# Allegro board 6089-119-RevB_08.brd (continued)
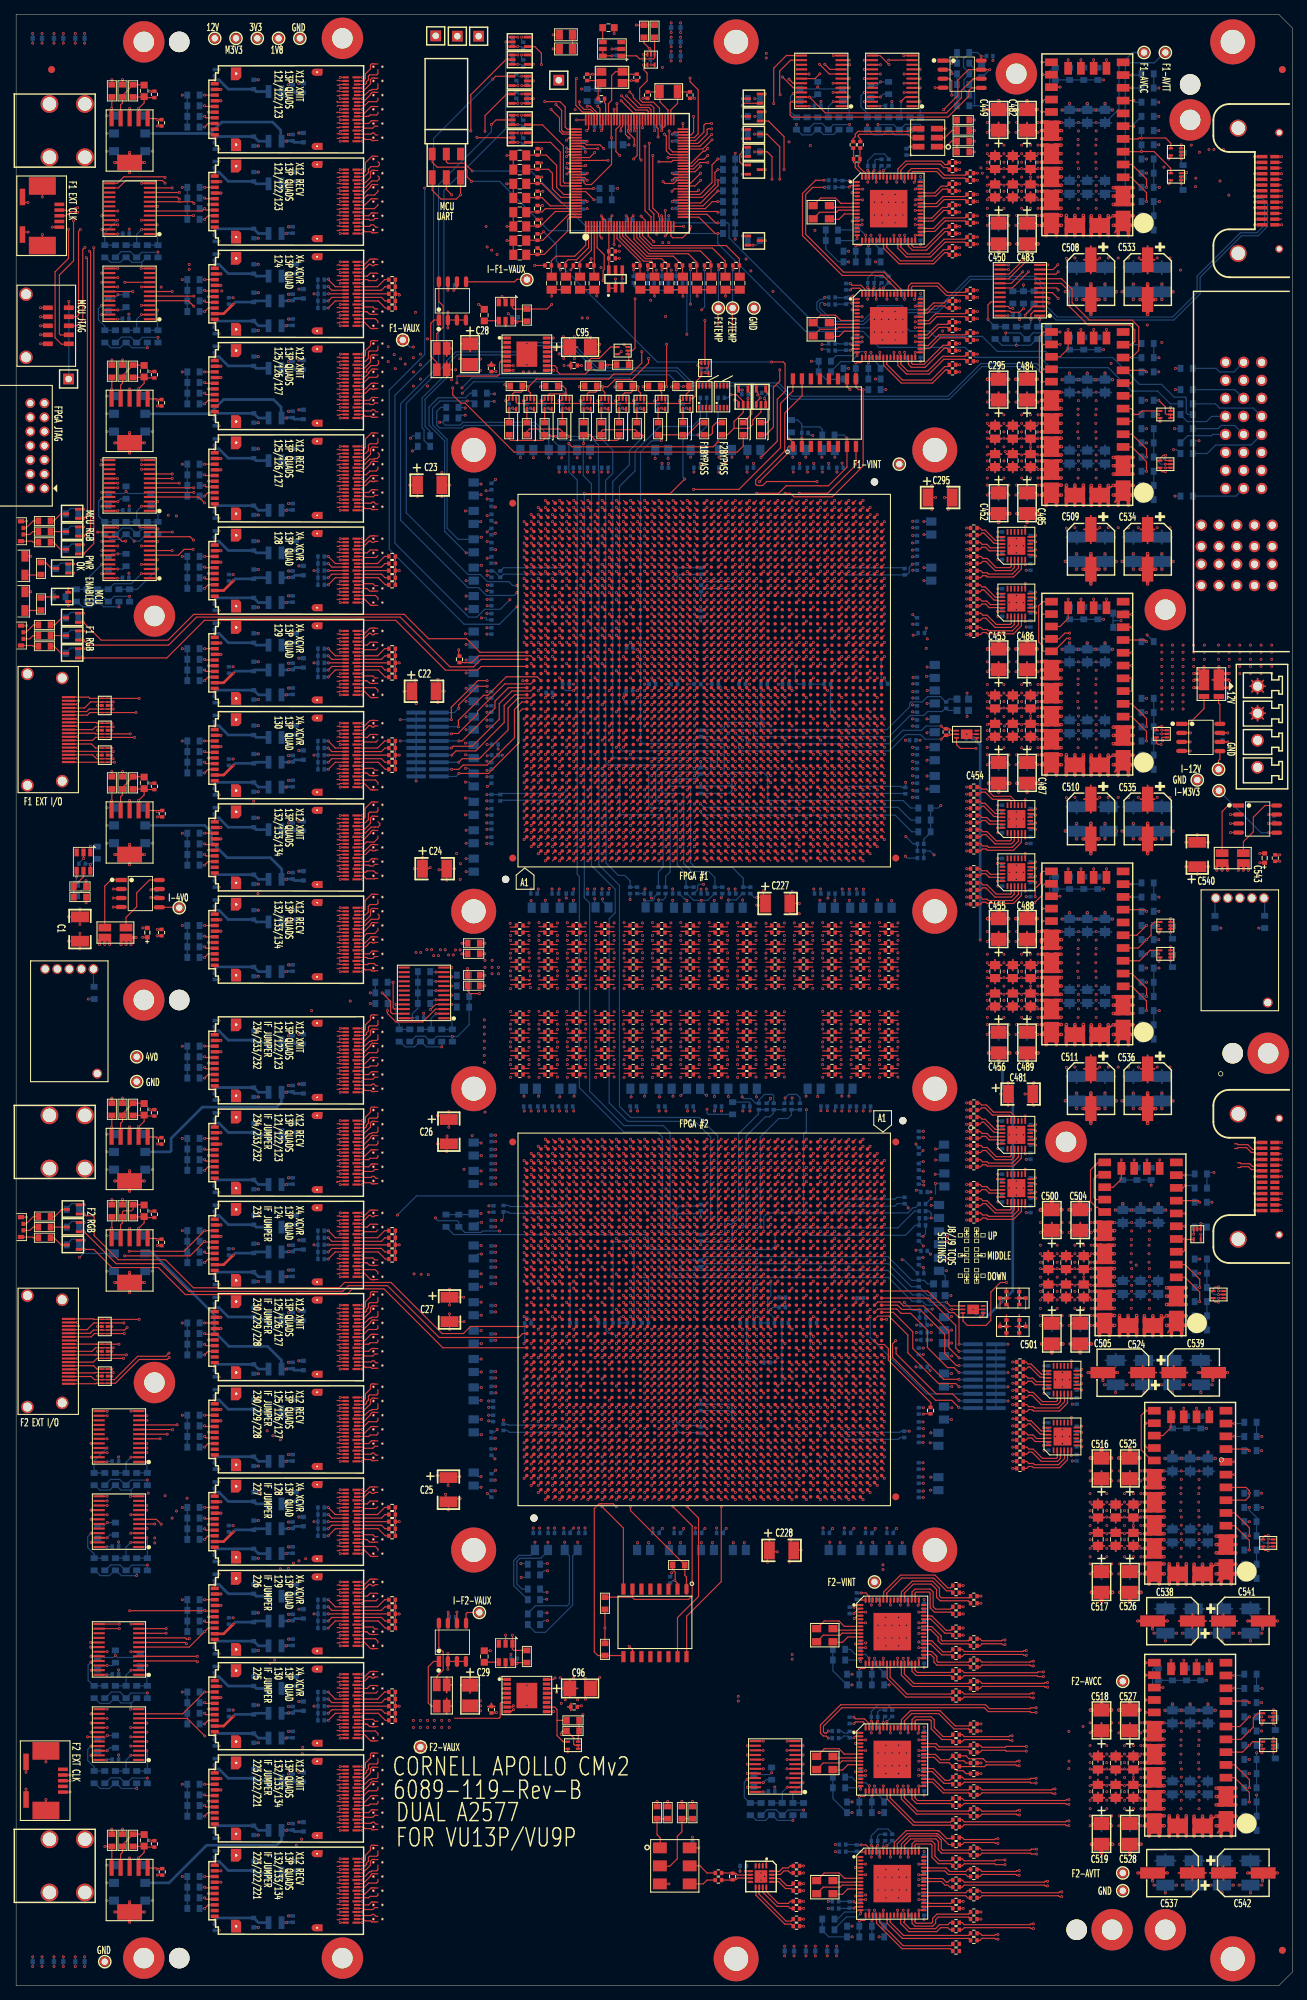
[diagram p0: board, top side]
## Routing (per net, layer and track width the routed paths; a pad name or vN(x,y) marks a point on that pad's centre or on a via; arc(x,y) is an arc through that point) (continued)
AC_NSYN_R1B_IN0: length 40.1
  TOP w0.165: v1(118.11,36.95) 118.35,37.19 119.41,37.19 119.75,36.85 U90.64 ; C438.2 v1(136.01,9.4)
  SIG1 w0.083: v1(118.11,36.95) 118.11,37.31 118.16,37.36 118.23,37.29 118.71,37.29 119,37 119,32.15 134.8,16.35 134.8,10.05 135.06,9.8 135.92,9.8 136.01,9.71 v1(136.01,9.4)
  BOTTOM w0.165: R351.2 v1(118.11,36.95)
AC_NSYN_R1C_IN0: length 59.5
  TOP w0.165: C344.2 v1(133.51,10.9) ; v1(119.11,54.45) 119.21,54.35 U89.64
  SIG1 w0.083: v1(119.11,54.45) 119.41,54.75 120.04,54.75 120.25,54.96 120.25,55.45 119.45,56.25 118.5,56.25 116.7,54.45 116.7,30.85 120.25,27.3 120.65,27.3 132.4,15.55 132.4,11.65 132.76,11.3 133.42,11.3 133.51,11.21 v1(133.51,10.9)
  BOTTOM w0.165: R337.2 v1(119.11,54.45)
AC_NUTIL: length 4.2
  TOP w0.165: C191.2 100.95,15.9 R135.1 101.46,15.85 101.7,15.61 102.77,15.61 102.81,15.65 U82.6
AC_PF1_TCDS40_CLK: length 183
  TOP w0.165: v1(141.45,24.73) 141.11,24.73 140.99,24.61 136.15,24.61 135.86,24.9 C429.2 ; U75.AR17 v1(106.39,174.51)
  SIG2 w0.083: v1(106.39,174.51) 106.39,174.2 106.31,174.11 106.11,174.11 105.75,173.76 105.75,171.68 105.76,171.66 105.76,163.29 106.1,162.95 110.13,162.95 110.15,162.93 110.63,162.93 110.65,162.95 112.13,162.95 112.15,162.93 112.63,162.93 112.65,162.95 123.55,162.95 132.59,153.91 132.59,129.76 134.55,127.8 134.55,95.95 134.29,95.69 134.29,68.81 141.79,61.31 141.79,28.86 141.87,28.78 141.87,24.59 141.79,24.5 141.68,24.5 v1(141.45,24.73)
AC_PF1_TCDS_RECOV_CLK: length 3.4
  TOP w0.165: v1(118.11,35.85) 118.31,35.65 U90.1
  BOTTOM w0.165: C841.2 116.36,35.9 116.65,35.61 117.26,35.61 R352.1 v1(118.11,35.85)
AC_PF1_XTAL_200: length 215.7
  TOP w0.165: U75.AT17 v1(107.39,174.51) ; C230.2 v1(111.01,15.9)
  SIG2 w0.083: v1(111.01,15.9) 111.01,15.98 110.75,16.24 110.29,16.24 110.21,16.16 110.21,14.34 110.52,14.03 111.16,14.03 111.39,14.26 126.64,14.26 127.1,13.8 132.76,13.8 142.79,23.84 142.79,62.71 135.29,70.21 135.29,128.46 133.34,130.41 133.34,154.51 123.93,163.93 108.07,163.93 107.8,164.2 107.8,174.1 v1(107.39,174.51)
AC_PF1L_R0_AB: length 222.8
  TOP w0.165: U75.BD39 v1(115.39,197.29) ; v1(138.4,7.23) 138.06,7.23 137.94,7.11 136.15,7.11 135.86,7.4 C439.2
  SIG1 w0.083: v1(115.39,197.29) 115.39,197.6 115.47,197.69 115.59,197.69 115.74,197.54 115.74,197.06 116.14,196.66 125.09,196.66 134.44,187.31 134.44,160.26 140.74,153.96 140.74,152.57 142.1,151.21 142.1,135.05 142.85,134.3 142.85,97.3 143.84,96.31 143.84,73.41 150.79,66.46 150.79,14.54 143.26,7 138.63,7 v1(138.4,7.23)
AC_PF1L_R0_AD: length 27.7
  TOP w0.165: U75.AY39 v1(111.39,197.29) ; C372.2 v1(133.99,198.4)
  SIG3 w0.083: v1(111.39,197.29) 111.39,197.6 111.47,197.69 111.68,197.69 111.96,197.97 111.96,200.51 112.14,200.69 131.36,200.69 133.2,198.85 133.54,198.85 v1(133.99,198.4)
AC_PF1L_R0_AF: length 28.9
  TOP w0.165: U75.AT39 v1(107.39,197.29) ; C374.2 v1(133.99,196.4)
  SIG3 w0.083: v1(107.39,197.29) 107.39,197.6 107.47,197.69 107.59,197.69 107.84,197.44 107.84,197.06 108.21,196.69 133.04,196.69 133.2,196.85 133.54,196.85 v1(133.99,196.4)
AC_PF1L_R0_R: length 36.3
  TOP w0.165: C370.2 v1(133.99,200.4) ; U75.AM39 v1(103.39,197.29)
  SIG3 w0.083: v1(103.39,197.29) 103.39,197.6 103.47,197.69 103.68,197.69 103.95,197.96 103.95,201.5 104.15,201.7 132.1,201.7 132.96,200.84 133.55,200.84 v1(133.99,200.4)
AC_PF1L_R0_U: length 48.1
  TOP w0.165: U75.AA41 v1(91.61,199.29) ; C376.2 v1(133.99,194.4)
  SIG3 w0.083: v1(133.99,194.4) 133.65,194.74 133.01,194.74 132.06,195.69 92.31,195.69 92,196 92,199.49 91.81,199.69 91.69,199.69 91.61,199.6 v1(91.61,199.29)
AC_PF1L_R0_V: length 51.5
  TOP w0.165: U75.W41 v1(89.61,199.29) ; C378.2 v1(133.99,192.4)
  SIG3 w0.083: v1(133.99,192.4) 133.65,192.74 133.21,192.74 131.26,194.69 90.31,194.69 89.99,195.01 89.99,199.5 89.81,199.69 89.69,199.69 89.61,199.6 v1(89.61,199.29)
AC_PF1L_R0_Y: length 54.8
  TOP w0.165: C368.2 v1(133.99,202.4) ; U75.N41 v1(83.61,199.29)
  SIG3 w0.083: v1(133.99,202.4) 133.6,202.8 133.35,202.8 133.19,202.64 85.29,202.64 85.21,202.55 85.21,200.01 84.88,199.69 83.69,199.69 83.61,199.6 v1(83.61,199.29)
AC_PF1L_R1_AB: length 214.6
  TOP w0.165: C335.2 133.36,23.4 133.65,23.11 147.94,23.11 148.06,23.23 v1(148.4,23.23) ; U75.BC41 v1(114.39,199.29)
  SIG1 w0.083: v1(114.39,199.29) 114.39,199.6 114.47,199.69 114.59,199.69 114.79,199.49 114.79,196.06 115.16,195.69 124.56,195.69 132.4,187.85 132.4,159.55 139.24,152.71 139.24,145.85 140.41,144.68 140.41,134.29 140.39,134.28 140.39,133.82 140.41,133.81 140.41,98.19 142.65,95.95 142.65,93.32 142.35,93.02 142.35,73.5 149.79,66.06 149.79,24.05 148.74,23 148.63,23 v1(148.4,23.23)
AC_PF1L_R1_AD: length 215.5
  TOP w0.165: U75.AW41 v1(110.39,199.29) ; C333.2 133.36,26.4 133.65,26.11 147.94,26.11 148.06,26.23 v1(148.4,26.23)
  SIG1 w0.083: v1(148.4,26.23) 148.63,26 148.74,26 148.82,26.09 148.82,28.38 148.79,28.41 148.79,65.41 141.24,72.96 141.24,75.68 140.65,76.27 139.98,76.27 137.39,78.86 137.39,122.54 137.92,123.07 137.92,152.13 134.23,155.82 133.53,155.82 130.94,158.41 130.94,187.81 124.06,194.69 122.66,194.69 122.64,194.71 111.15,194.71 110.74,195.12 110.74,199.54 110.59,199.69 110.47,199.69 110.39,199.6 v1(110.39,199.29)
AC_PF1L_R1_AF: length 227.4
  TOP w0.165: U75.AR41 v1(106.39,199.29) ; v1(147.4,13.23) 147.06,13.23 146.94,13.11 136.15,13.11 135.86,13.4 C435.2
  SIG1 w0.083: v1(147.4,13.23) 147.63,13 147.74,13 147.82,13.09 147.82,21.23 147.79,21.26 147.79,64.71 136.29,76.21 136.29,151.66 134.13,153.82 133.75,153.82 129.79,157.78 129.79,187.61 123.71,193.69 107.16,193.69 106.79,194.06 106.79,199.49 106.59,199.69 106.47,199.69 106.39,199.6 v1(106.39,199.29)
AC_PF1L_R1_R: length 215.1
  TOP w0.165: U75.AL41 v1(102.39,199.29) ; C427.2 135.86,27.9 136.15,27.61 145.99,27.61 146.11,27.73 v1(146.45,27.73)
  SIG1 w0.083: v1(102.39,199.29) 102.39,199.6 102.47,199.69 102.59,199.69 102.79,199.49 102.79,193.06 103.16,192.69 123.21,192.69 128.99,186.91 128.99,159.73 128.84,159.58 128.84,156.71 135.29,150.26 135.29,75.76 146.79,64.26 146.79,28.41 146.87,28.33 146.87,27.59 146.79,27.5 146.68,27.5 v1(146.45,27.73)
AC_PF1L_R1_U: length 238.7
  TOP w0.165: v1(145.4,14.73) 145.06,14.73 144.94,14.61 133.65,14.61 133.36,14.9 C341.2 ; U75.Y39 v1(90.61,197.29)
  SIG1 w0.083: v1(145.4,14.73) 145.63,14.5 145.74,14.5 145.82,14.59 145.82,20.88 145.79,20.91 145.79,63.66 134.29,75.16 134.29,106.31 133.29,107.31 133.29,150.81 127.79,156.31 127.79,186.91 123.04,191.66 91.39,191.66 90.99,192.06 90.99,197.5 90.81,197.69 90.69,197.69 90.61,197.6 v1(90.61,197.29)
AC_PF1L_R1_Y: length 230.3
  TOP w0.165: C331.2 133.36,29.4 133.65,29.11 142.94,29.11 143.06,29.23 v1(143.79,29.23) ; U75.M39 v1(82.61,197.29)
  SIG1 w0.083: v1(82.61,197.29) 82.61,197.6 82.69,197.69 82.81,197.69 82.99,197.5 82.99,191.01 83.34,190.66 122.8,190.66 126.89,186.57 126.89,175.74 126.88,175.73 126.88,175.27 126.89,175.26 126.89,135.31 132.29,129.91 132.29,106.81 133.29,105.81 133.29,74.21 144.79,62.71 144.79,44.79 145.2,44.38 145.2,43.42 144.79,43.01 144.79,30.05 143.95,29.22 143.95,29.16 143.86,29.16 v1(143.79,29.23)
AC_PF1L_X4_R0_CLK: length 52.7
  TOP w0.165: U75.N32 v1(83.61,190.29) ; C380.2 v1(133.99,190.4)
  SIG3 w0.083: v1(83.61,190.29) 83.3,190.29 83.21,190.37 83.21,190.57 83.31,190.66 133.73,190.66 v1(133.99,190.4)
AC_PF1L_X4_R0A: length 64.2
  TOP w0.165: v1(143.73,193.45) 143.61,193.45 143.41,193.65 U97.7 ; C353.2 v1(135.51,249.4)
  SIG1 w0.083: v1(143.73,193.45) 143.71,193.71 143.79,193.8 143.86,193.8 143.91,193.81 144.55,193.81 145.3,194.55 145.3,207.1 143.55,208.85 143.55,212.21 143.56,212.22 143.56,212.68 143.55,212.69 143.55,216.61 143.56,216.62 143.56,217.08 143.55,217.09 143.55,221.11 143.56,221.12 143.56,221.58 143.55,221.59 143.55,233.45 142.01,234.99 142.01,235 141.68,235.32 141.2,235.8 141.2,243.7 137.76,247.14 137.76,248.49 137.29,248.96 135.84,248.96 135.79,249 135.59,249 135.51,249.09 v1(135.51,249.4)
  BOTTOM w0.165: R273.2 v1(143.73,193.45)
AC_PF1L_X4_R0B: length 51.2
  TOP w0.165: C309.2 v1(133.01,234.4) ; v1(143.68,195.45) 143.61,195.45 143.41,195.65 U97.11
  SIG4 w0.083: v1(133.01,234.4) 133.01,234.11 132.9,234 132.25,234 131.9,233.65 131.9,233.05 132.45,232.5 133.35,232.5 134.4,233.55 135.5,233.55 139,230.05 139,227.3 138.4,226.7 138.4,212.35 138.89,211.86 138.89,199.36 142.46,195.8 143.6,195.8 143.68,195.71 v1(143.68,195.45)
  BOTTOM w0.165: R272.2 v1(143.68,195.45)
AC_PF1L_X12_R0_CLK: length 69
  TOP w0.165: U75.P33 v1(84.61,191.29) ; C366.2 v1(133.99,204.4)
  SIG3 w0.083: v1(133.99,204.4) 133.55,204.84 133.04,204.84 131.9,203.7 82.5,203.7 82.2,203.4 82.2,192.98 82.28,192.9 84.99,192.9 85.2,192.69 85.2,191.99 84.89,191.69 84.69,191.69 84.61,191.6 v1(84.61,191.29)
AC_PF1L_X12_R0A: length 55.8
  TOP w0.165: C303.2 v1(133.01,247.9) ; U96.7 143.41,201.65 143.61,201.45 v1(143.7,201.45)
  SIG1 w0.083: v1(143.7,201.45) 143.7,201.71 143.78,201.8 144.19,201.8 144.66,202.26 144.66,205.44 140.51,209.59 140.51,221.39 139.1,222.8 139.1,244.45 135.99,247.56 133.26,247.56 133.21,247.5 133.09,247.5 133.01,247.59 v1(133.01,247.9)
  BOTTOM w0.165: R271.2 v1(143.7,201.45)
AC_PF1L_X12_R0B: length 40.6
  TOP w0.165: v1(143.7,203.45) 143.61,203.45 143.41,203.65 U96.11 ; C359.2 v1(135.51,235.9)
  SIG4 w0.083: v1(143.7,203.45) 143.7,203.71 143.62,203.8 142.96,203.8 140.6,206.15 140.6,207.14 140.53,207.21 140.53,207.67 140.6,207.74 140.6,209.61 140.39,209.82 140.39,210.28 140.6,210.49 140.6,211.11 140.49,211.22 140.49,211.68 140.6,211.79 140.6,222.7 140.4,222.9 140.4,222.91 140.39,222.92 140.39,223.38 140.4,223.39 140.4,226.11 140.38,226.13 140.38,226.59 140.4,226.61 140.4,230.5 136.7,234.2 135,234.2 134.65,234.55 134.65,235.14 134.86,235.35 135.21,235.35 135.51,235.65 v1(135.51,235.9)
  BOTTOM w0.165: R270.2 v1(143.7,203.45)
AC_PF1R_R0_B: length 57.5
  TOP w0.165: U75.AM13 v1(103.39,170.51) ; C396.2 v1(133.99,152.4)
  SIG3 w0.083: v1(103.39,170.51) 103.39,170.2 103.31,170.11 103.19,170.11 103,170.31 103,173.75 103.17,173.93 122.92,173.93 122.95,173.9 126.75,173.9 127.79,172.86 127.79,166.66 133.16,161.29 134.41,161.29 134.49,161.21 134.49,159.79 134.15,159.45 132.95,159.45 131.94,158.44 131.94,154.01 133.21,152.74 133.65,152.74 v1(133.99,152.4)
AC_PF1R_R0_E: length 60.2
  TOP w0.165: U75.AA11 v1(91.61,168.51) ; C388.2 v1(133.99,161.9)
  SIG3 w0.083: v1(91.61,168.51) 91.61,168.2 91.53,168.11 91.41,168.11 91.26,168.26 91.26,174.71 91.47,174.93 126.88,174.93 128.79,173.01 128.79,166.71 133.25,162.25 133.64,162.25 v1(133.99,161.9)
AC_PF1R_R0_F: length 62.7
  TOP w0.165: C386.2 v1(133.99,163.9) ; U75.W11 v1(89.61,168.51)
  SIG3 w0.083: v1(133.99,163.9) 133.6,164.3 133.1,164.3 129.79,167.61 129.79,173.81 127.7,175.9 123,175.9 122.99,175.89 89.49,175.89 89.21,175.61 89.21,168.31 89.41,168.11 89.53,168.11 89.61,168.2 v1(89.61,168.51)
AC_PF1R_R0_G: length 81.1
  TOP w0.165: U75.U11 v1(87.61,168.51) ; C394.2 v1(133.99,154.4)
  SIG3 w0.083: v1(133.99,154.4) 133.65,154.74 133.11,154.74 132.75,155.1 132.75,158.15 133.3,158.7 134.65,158.7 135.04,159.09 135.04,165.01 134.75,165.3 133.15,165.3 130.79,167.66 130.79,175.76 130.77,175.78 130.77,175.8 130.55,176.02 130.53,176.02 129.66,176.9 123.66,176.9 122.95,176.9 122.94,176.9 87.39,176.9 87.21,176.71 87.21,168.31 87.41,168.11 87.53,168.11 87.61,168.2 v1(87.61,168.51)
AC_PF1R_R0_I: length 72.2
  TOP w0.165: U75.N11 v1(83.61,168.51) ; C384.2 v1(133.99,165.9)
  SIG3 w0.083: v1(133.99,165.9) 133.99,165.9 133.6,166.3 133.1,166.3 131.89,167.51 131.89,176.56 130.53,177.93 86.42,177.93 86.21,177.71 86.21,174.29 85.81,173.89 83.39,173.89 83.21,173.71 83.21,168.31 83.41,168.11 83.53,168.11 83.61,168.2 v1(83.61,168.51)
AC_PF1R_R0_L: length 214.1
  TOP w0.165: C234.2 v1(111.01,10.9) ; U75.BD13 v1(115.39,170.51)
  SIG2 w0.083: v1(115.39,170.51) 115.39,170.2 115.31,170.11 115.11,170.11 114.79,169.8 114.79,167.21 115.11,166.89 126.16,166.89 137.74,155.31 137.74,74.46 146.9,65.3 146.9,19.5 137.41,10.01 119.39,10.01 119.2,9.82 111.52,9.82 110.51,10.84 110.51,11.16 110.59,11.24 110.76,11.24 111.01,10.99 v1(111.01,10.9)
AC_PF1R_R0_N: length 36.4
  TOP w0.165: C390.2 v1(133.99,159.9) ; U75.AY13 v1(111.39,170.51)
  SIG3 w0.083: v1(133.99,159.9) 133.6,160.29 133.21,160.29 126.79,166.71 126.79,172.82 126.71,172.9 123.1,172.9 123.09,172.89 111.19,172.89 111.01,172.71 111.01,170.3 111.19,170.11 111.31,170.11 111.39,170.2 v1(111.39,170.51)
AC_PF1R_R1_B: length 151.8
  TOP w0.165: U75.AL11 v1(102.39,168.51) ; C319.2 v1(133.51,50.4)
  SIG2 w0.083: v1(102.39,168.51) 102.39,168.2 102.31,168.11 102.11,168.11 101.8,167.81 101.8,162.3 102.16,161.94 123.16,161.94 131.8,153.3 131.8,129 133.29,127.51 133.29,67.56 138.74,62.11 138.74,52.34 136.41,50.01 133.71,50.01 133.71,50 133.59,50 133.51,50.09 v1(133.51,50.4)
AC_PF1R_R1_E: length 161.9
  TOP w0.165: C317.2 v1(133.51,53.4) ; U75.Y13 v1(90.61,170.51)
  SIG2 w0.083: v1(133.51,53.4) 133.51,53.09 133.59,53 133.71,53 133.81,53.11 137.41,53.11 137.49,53.19 137.49,60.96 132.29,66.16 132.29,126.96 128.34,130.91 128.34,148.56 125.79,151.11 125.79,157.9 122.75,160.94 111.64,160.94 111.63,160.93 111.15,160.93 111.14,160.94 109.64,160.94 109.59,160.89 90.44,160.89 90.03,161.3 90.03,169.82 90.32,170.11 90.53,170.11 90.61,170.2 v1(90.61,170.51)
AC_PF1R_R1_G: length 160.6
  TOP w0.165: U75.T13 v1(86.61,170.51) ; C413.2 v1(136.01,54.9)
  SIG2 w0.083: v1(86.61,170.51) 86.61,170.2 86.53,170.11 86.32,170.11 86,169.79 86,160.25 86.36,159.89 122.8,159.89 124.79,157.9 124.79,151.01 127.17,148.63 127.17,125.43 130.4,122.2 130.4,66.1 136.64,59.86 136.64,54.59 136.56,54.51 136.25,54.51 136.01,54.75 v1(136.01,54.9)
AC_PF1R_R1_I: length 162.4
  TOP w0.165: C315.2 v1(133.51,56.4) ; U75.M13 v1(82.61,170.51)
  SIG2 w0.083: v1(82.61,170.51) 82.61,170.2 82.53,170.11 82.32,170.11 82.05,169.84 82.05,161.26 82.05,161.26 82.05,159.25 82.41,158.89 122.8,158.89 123.79,157.9 123.79,151.01 125.29,149.51 125.29,134.31 126.39,133.21 126.39,124.86 127.29,123.96 127.29,67.36 134.4,60.25 134.4,56.19 134.22,56.01 133.71,56.01 133.71,56 133.59,56 133.51,56.09 v1(133.51,56.4)
AC_PF1R_R1_L: length 180.8
  TOP w0.165: v1(143.85,19.25) 143.13,19.25 143.13,19.25 142.99,19.11 136.15,19.11 135.86,19.4 C431.2 ; U75.BC11 v1(114.39,168.51)
  SIG2 w0.083: v1(143.85,19.25) 144.09,19.01 144.81,19.01 145.29,19.49 145.29,41.24 145.79,41.74 145.79,64.26 137.04,73.01 137.04,129.26 136.29,130.01 136.29,155.75 126.1,165.94 123.71,165.94 123.69,165.92 123.21,165.92 123.19,165.94 114.06,165.94 113.79,166.21 113.79,167.8 114.11,168.11 114.31,168.11 114.39,168.2 v1(114.39,168.51)
AC_PF1R_R1_N: length 162.9
  TOP w0.165: U75.AW11 v1(110.39,168.51) ; v1(143.4,41.23) 143.06,41.23 142.94,41.11 133.65,41.11 133.36,41.4 C325.2
  SIG2 w0.083: v1(110.39,168.51) 110.39,168.2 110.31,168.11 110.11,168.11 109.8,167.81 109.8,165.3 110.2,164.9 125.55,164.9 133.68,156.77 134.15,156.77 135.25,155.67 135.25,129.8 136.29,128.76 136.29,71.61 143.79,64.11 143.79,53.56 143.82,53.53 143.82,44.48 143.82,44.47 143.82,43.99 143.82,43.98 143.82,43.82 143.82,43.81 143.82,43.33 143.82,43.32 143.82,41.09 143.74,41 143.63,41 v1(143.4,41.23)
AC_PF1R_X4_R0_CLK: length 81.6
  TOP w0.165: U75.N19 v1(83.61,176.51) ; C392.2 v1(133.99,156.4)
  SIG3 w0.083: v1(83.61,176.51) 83.61,176.2 83.53,176.11 83.34,176.11 83.21,176.24 83.21,179.76 83.37,179.93 132.12,179.93 135.75,176.3 135.75,158.79 135.01,158.05 133.61,158.05 133.4,157.84 133.4,157.05 133.61,156.84 133.83,156.84 133.99,156.68 v1(133.99,156.4)
AC_PF1R_X4_R0A: length 106.5
  TOP w0.165: C301.2 v1(133.01,250.9) ; v1(143.73,155.45) 143.61,155.45 143.41,155.65 U99.7
  SIG1 w0.083: v1(133.01,250.9) 133.01,250.59 133.09,250.5 133.21,250.5 133.21,250.51 134.54,250.51 134.94,250.11 136.75,250.11 136.76,250.1 137.04,250.1 137.05,250.11 137.39,250.11 143.7,243.8 143.7,234.45 145.35,232.8 145.35,209.95 146.1,209.2 146.1,193.8 145.65,193.35 145.65,171.75 144.85,170.95 144.85,156.26 144.39,155.79 143.99,155.79 143.73,155.53 v1(143.73,155.45)
  BOTTOM w0.165: R277.2 v1(143.73,155.45)
AC_PF1R_X4_R0B: length 85.6
  TOP w0.165: C311.2 v1(133.01,231.4) ; v1(143.68,157.45) 143.61,157.45 143.41,157.65 U99.11
  SIG4 w0.083: v1(133.01,231.4) 133.01,231.06 132.9,230.95 132.3,230.95 132,230.65 132,229.95 132.21,229.74 133.89,229.74 134.45,230.3 135.8,230.3 136.16,229.94 136.16,163.34 141.71,157.8 143.6,157.8 143.68,157.71 v1(143.68,157.45)
  BOTTOM w0.165: R276.2 v1(143.68,157.45)
AC_PF1R_X12_R0_CLK: length 63.6
  TOP w0.165: C382.2 v1(133.99,167.9) ; U75.R18 v1(85.61,175.51)
  SIG3 w0.083: v1(133.99,167.9) 133.99,168.2 133.9,168.29 133.66,168.29 132.79,169.16 132.79,177.21 131.11,178.89 85.39,178.89 85.24,178.74 85.24,175.29 85.41,175.11 85.53,175.11 85.61,175.2 v1(85.61,175.51)
AC_PF1R_X12_R0A: length 90
  TOP w0.165: C355.2 v1(135.51,246.4) ; v1(143.7,162.95) 143.61,162.95 143.41,163.15 U98.7
  SIG1 w0.083: v1(135.51,246.4) 135.51,246.1 135.6,246.01 135.99,246.01 137.85,244.15 137.85,170.1 143.37,164.58 143.77,164.58 144.3,164.05 144.3,163.61 143.99,163.3 143.78,163.3 143.7,163.21 v1(143.7,162.95)
  BOTTOM w0.165: R275.2 v1(143.7,162.95)
AC_PF1R_X12_R0B: length 75.6
  TOP w0.165: C361.2 v1(135.51,232.9) ; U98.11 143.41,165.15 143.61,164.95 v1(143.7,164.95)
  SIG4 w0.083: v1(143.7,164.95) 143.7,165.21 143.62,165.3 142.66,165.3 137.44,170.51 137.44,230.01 136.35,231.1 135.2,231.1 134.7,231.6 134.7,232.15 134.98,232.43 135.5,232.43 135.51,232.44 v1(135.51,232.9)
  BOTTOM w0.165: R274.2 v1(143.7,164.95)
AC_PF2_TCDS40_CLK: length 126.2
  TOP w0.165: C329.2 133.91,32.4 134.32,31.99 136.31,31.99 136.75,31.55 140.94,31.55 141.06,31.67 v1(141.4,31.67) ; U77.AR17 v1(87.61,103.29)
  SIG4 w0.083: v1(141.4,31.67) 141.63,31.45 141.74,31.45 141.82,31.53 141.82,38.68 141.79,38.71 141.79,62.86 130.29,74.36 130.29,94.81 124.4,100.7 88.35,100.7 87.99,101.06 87.99,103.5 87.81,103.69 87.69,103.69 87.61,103.6 v1(87.61,103.29)
AC_PF2_XTAL_200: length 165.8
  TOP w0.165: C236.2 v1(111.01,8.4) ; U77.AT17 v1(86.61,103.29)
  SIG4 w0.083: v1(111.01,8.4) 111.01,8.6 111.25,8.84 113.06,8.84 115.9,6 125.65,6 141,21.35 141,62.2 129.56,73.64 129.56,94.34 123.99,99.91 86.44,99.91 86.21,100.14 86.21,103.08 86.42,103.29 v1(86.61,103.29)
AC_PF2L_R0_AB: length 155.6
  TOP w0.165: C345.2 133.36,8.9 133.65,8.61 142.94,8.61 143.06,8.73 v1(143.4,8.73) ; U77.BD39 v1(78.61,80.51)
  SIG1 w0.083: v1(78.61,80.51) 78.61,80.2 78.69,80.11 78.81,80.11 78.99,80.3 78.99,88.79 79.31,89.11 125.79,89.11 131.5,83.4 131.5,72.85 143,61.35 143,21.1 142.98,21.08 142.98,8.59 143.06,8.5 143.17,8.5 v1(143.4,8.73)
AC_PF2L_R0_AD: length 63.4
  TOP w0.165: U77.AY39 v1(82.61,80.51) ; C468.2 v1(140.49,84.9)
  SIG3 w0.083: v1(82.61,80.51) 82.61,80.2 82.53,80.11 82.41,80.11 82.21,80.31 82.21,81.66 82.44,81.89 136.04,81.89 139.45,85.3 140.41,85.3 140.49,85.21 v1(140.49,84.9)
AC_PF2L_R0_AF: length 62.4
  TOP w0.165: U77.AT39 v1(86.61,80.51) ; C480.2 v1(140.49,72.9)
  SIG3 w0.083: v1(86.61,80.51) 86.61,80.2 86.53,80.11 86.21,80.11 86,79.9 86,75.25 86.4,74.85 86.46,74.85 86.47,74.85 86.75,74.85 86.76,74.85 87.46,74.85 87.47,74.85 110.21,74.85 110.24,74.88 110.55,74.88 110.57,74.85 112.21,74.85 112.24,74.88 112.55,74.88 112.57,74.85 138.15,74.85 139.7,73.3 140.2,73.3 140.49,73.01 v1(140.49,72.9)
AC_PF2L_R0_R: length 53.7
  TOP w0.165: U77.AM39 v1(90.61,80.51) ; C470.2 v1(140.49,82.9)
  SIG3 w0.083: v1(140.49,82.9) 140.49,82.96 140.15,83.3 139.45,83.3 137.04,80.89 90.55,80.89 90.33,80.66 90.33,80.2 90.41,80.11 90.53,80.11 90.61,80.2 v1(90.61,80.51)
AC_PF2L_R0_U: length 43.2
  TOP w0.165: C478.2 v1(140.49,74.9) ; U77.AA41 v1(102.39,78.51)
  SIG3 w0.083: v1(102.39,78.51) 102.39,78.2 102.31,78.11 102.11,78.11 101.74,77.75 101.74,76.37 102.19,75.93 138.87,75.93 139.55,75.25 140.45,75.25 140.49,75.21 v1(140.49,74.9)
AC_PF2L_R0_V: length 39.9
  TOP w0.165: U77.W41 v1(104.39,78.51) ; C476.2 v1(140.49,76.9)
  SIG3 w0.083: v1(104.39,78.51) 104.39,78.2 104.31,78.11 104.11,78.11 103.9,77.91 103.9,77.2 104.2,76.9 139,76.9 139.4,77.3 140.35,77.3 140.49,77.16 v1(140.49,76.9)
AC_PF2L_R0_Y: length 34.1
  TOP w0.165: U77.N41 v1(110.39,78.51) ; C472.2 v1(140.49,80.9)
  SIG3 w0.083: v1(140.49,80.9) 140.49,81.11 140.3,81.3 139.75,81.3 137.34,78.89 110.29,78.89 110.06,78.66 110.06,78.25 110.19,78.11 110.31,78.11 110.39,78.2 v1(110.39,78.51)
AC_PF2L_R1_AD: length 120
  TOP w0.165: C423.2 135.86,33.9 136.15,33.61 139.44,33.61 139.56,33.73 v1(142.41,33.73) ; U77.AW41 v1(83.61,78.51)
  SIG1 w0.083: v1(142.41,33.73) 142.18,33.5 142.06,33.5 142,33.57 142,60.3 130.5,71.8 130.5,82.9 126.3,87.1 84.2,87.1 83.99,86.89 83.99,78.3 83.81,78.11 83.69,78.11 83.61,78.2 v1(83.61,78.51)
AC_PF2L_R1_AF: length 129.8
  TOP w0.165: U77.AR41 v1(87.61,78.51) ; C433.2 135.86,16.4 136.15,16.11 140.94,16.11 141.06,16.23 v1(141.4,16.23)
  SIG1 w0.083: v1(87.61,78.51) 87.61,78.2 87.69,78.11 87.81,78.11 87.99,78.3 87.99,85.74 88.35,86.1 125.8,86.1 129.5,82.4 129.5,70.75 141,59.25 141,20.96 140.98,20.94 140.98,16.09 141.06,16 141.17,16 v1(141.4,16.23)
AC_PF2L_R1_R: length 105.9
  TOP w0.165: U77.AL41 v1(91.61,78.51) ; C327.2 133.36,35.4 133.65,35.11 139.94,35.11 140.06,35.23 v1(140.4,35.23)
  SIG1 w0.083: v1(140.4,35.23) 140.17,35 139.3,35 138.3,36 138.3,59.9 128.5,69.7 128.5,81.9 125.3,85.1 92.4,85.1 91.99,84.69 91.99,78.3 91.81,78.11 91.69,78.11 91.61,78.2 v1(91.61,78.51)
AC_PF2L_R1_U: length 105.7
  TOP w0.165: v1(139.4,17.73) 138.06,17.73 137.94,17.61 133.65,17.61 133.36,17.9 C339.2 ; U77.Y39 v1(103.39,80.51)
  SIG1 w0.083: v1(103.39,80.51) 103.39,80.2 103.47,80.11 103.59,80.11 103.74,80.26 103.74,83.74 104.1,84.1 124.3,84.1 127.5,80.9 127.5,68.45 136.85,59.1 136.85,19.1 138.49,17.46 139.26,17.46 139.4,17.6 v1(139.4,17.73)
AC_PF2L_R1_Y: length 69.2
  TOP w0.165: U77.M39 v1(111.39,80.51) ; C421.2 v1(136.01,36.9)
  SIG1 w0.083: v1(136.01,36.9) 136.01,36.59 135.92,36.5 135,36.5 134.31,37.19 134.31,39.94 126.5,47.75 126.5,80.4 123.76,83.14 112.14,83.14 111.79,82.79 111.79,80.31 111.59,80.11 111.47,80.11 111.39,80.2 v1(111.39,80.51)
AC_PF2L_X4_R0_CLK: length 42.8
  TOP w0.165: C474.2 v1(140.49,78.9) ; U77.N32 v1(110.39,87.51)
  SIG3 w0.083: v1(140.49,78.9) 140.49,79.21 140.58,79.3 141.11,79.3 141.36,79.55 141.36,88.09 140.84,88.61 137.81,88.61 137.3,88.1 111,88.1 110.79,87.89 110.79,87.59 110.7,87.51 v1(110.39,87.51)
AC_PF2L_X4_R0A: length 200.1
  TOP w0.165: U104.7 149.91,76.15 150.11,75.95 v1(150.23,75.95) ; C349.2 v1(135.51,255.4)
  SIG1 w0.083: v1(150.23,75.95) 150.21,76.21 150.29,76.3 150.41,76.31 151.5,76.31 152.55,77.35 152.55,81.63 154.71,83.79 154.71,91.83 154.36,92.17 154.36,107.76 154.6,108 154.6,126.1 153.45,127.25 153.45,150.78 152.9,151.33 152.9,158.25 152.3,158.85 152.3,163.8 153.4,164.9 153.4,173.75 152.9,174.25 152.9,197.95 154.15,199.2 154.15,201.95 153.51,202.59 153.51,211.44 152.9,212.05 152.9,236.25 150.1,239.05 150.1,246.55 148.9,247.75 148.9,251.6 148,252.5 146.75,252.5 144.85,254.4 136.4,254.4 135.79,255 135.59,255 135.51,255.09 v1(135.51,255.4)
  BOTTOM w0.165: R260.2 v1(150.23,75.95)
AC_PF2L_X4_R0B: length 172.2
  TOP w0.165: U104.11 149.91,78.15 150.11,77.95 v1(150.18,77.95) ; C357.2 v1(135.51,238.9)
  SIG4 w0.083: v1(135.51,238.9) 135.51,238.59 135.59,238.5 136.09,238.5 146.21,228.39 146.21,134.49 147.21,133.49 147.21,123.29 153.26,117.24 153.26,86.64 151.3,84.69 151.3,78.85 150.75,78.3 150.26,78.3 150.18,78.21 v1(150.18,77.95)
  BOTTOM w0.165: R259.2 v1(150.18,77.95)
AC_PF2L_X12_R0_CLK: length 36
  TOP w0.165: U77.P33 v1(109.39,86.51) ; C466.2 v1(140.49,86.9)
  SIG3 w0.083: v1(109.39,86.51) 109.39,86.2 109.31,86.11 109.11,86.11 108.79,85.8 108.79,85.21 109.12,84.88 137.38,84.88 139.8,87.3 140.41,87.3 140.49,87.21 v1(140.49,86.9)
AC_PF2L_X12_R0A: length 190.9
  TOP w0.165: C299.2 v1(133.01,253.9) ; U103.7 149.91,84.15 150.11,83.95 v1(150.2,83.95)
  SIG1 w0.083: v1(150.2,83.95) 150.2,84.21 150.28,84.3 150.49,84.3 153.3,87.11 153.3,121.25 151.15,123.4 151.15,137.04 149.98,138.21 149.69,138.21 149.3,138.6 149.3,161.29 149.14,161.45 149.14,164.6 149.98,165.43 149.98,173.58 150.6,174.2 150.6,195.06 150.68,195.14 150.68,195.62 150.6,195.7 150.6,195.83 152.11,197.34 152.11,211.84 150.6,213.35 150.6,232.15 148.51,234.24 148.51,243.07 148.76,243.32 148.76,245.27 145.96,248.07 145.96,251.19 144.69,252.46 136.74,252.46 135.69,253.51 133.21,253.51 133.21,253.5 133.09,253.5 133.01,253.59 v1(133.01,253.9)
  BOTTOM w0.165: R258.2 v1(150.2,83.95)
AC_PF2L_X12_R0B: length 168.8
  TOP w0.165: U103.11 149.91,86.15 150.11,85.95 v1(150.2,85.95) ; C307.2 v1(133.01,237.4)
  SIG4 w0.083: v1(150.2,85.95) 150.2,86.21 150.12,86.3 149.4,86.3 146.6,89.1 146.6,94.45 145.3,95.75 145.3,132.21 145.55,132.45 145.55,132.74 145.25,133.04 145.25,166.7 142.29,169.66 142.29,188.29 143.2,189.2 143.2,191.75 144.64,193.19 144.64,208.83 145.05,209.23 145.05,227.95 136.2,236.8 134.75,236.8 133.24,235.29 132.66,235.29 132,235.95 132,236.45 132.5,236.95 132.8,236.95 133.01,237.16 v1(133.01,237.4)
  BOTTOM w0.165: R257.2 v1(150.2,85.95)
AC_PF2R_R0_B: length 47
  TOP w0.165: C408.2 v1(133.99,111.9) ; U77.AM13 v1(90.61,107.29)